# KiCad board panel.kicad_pcb (continued)
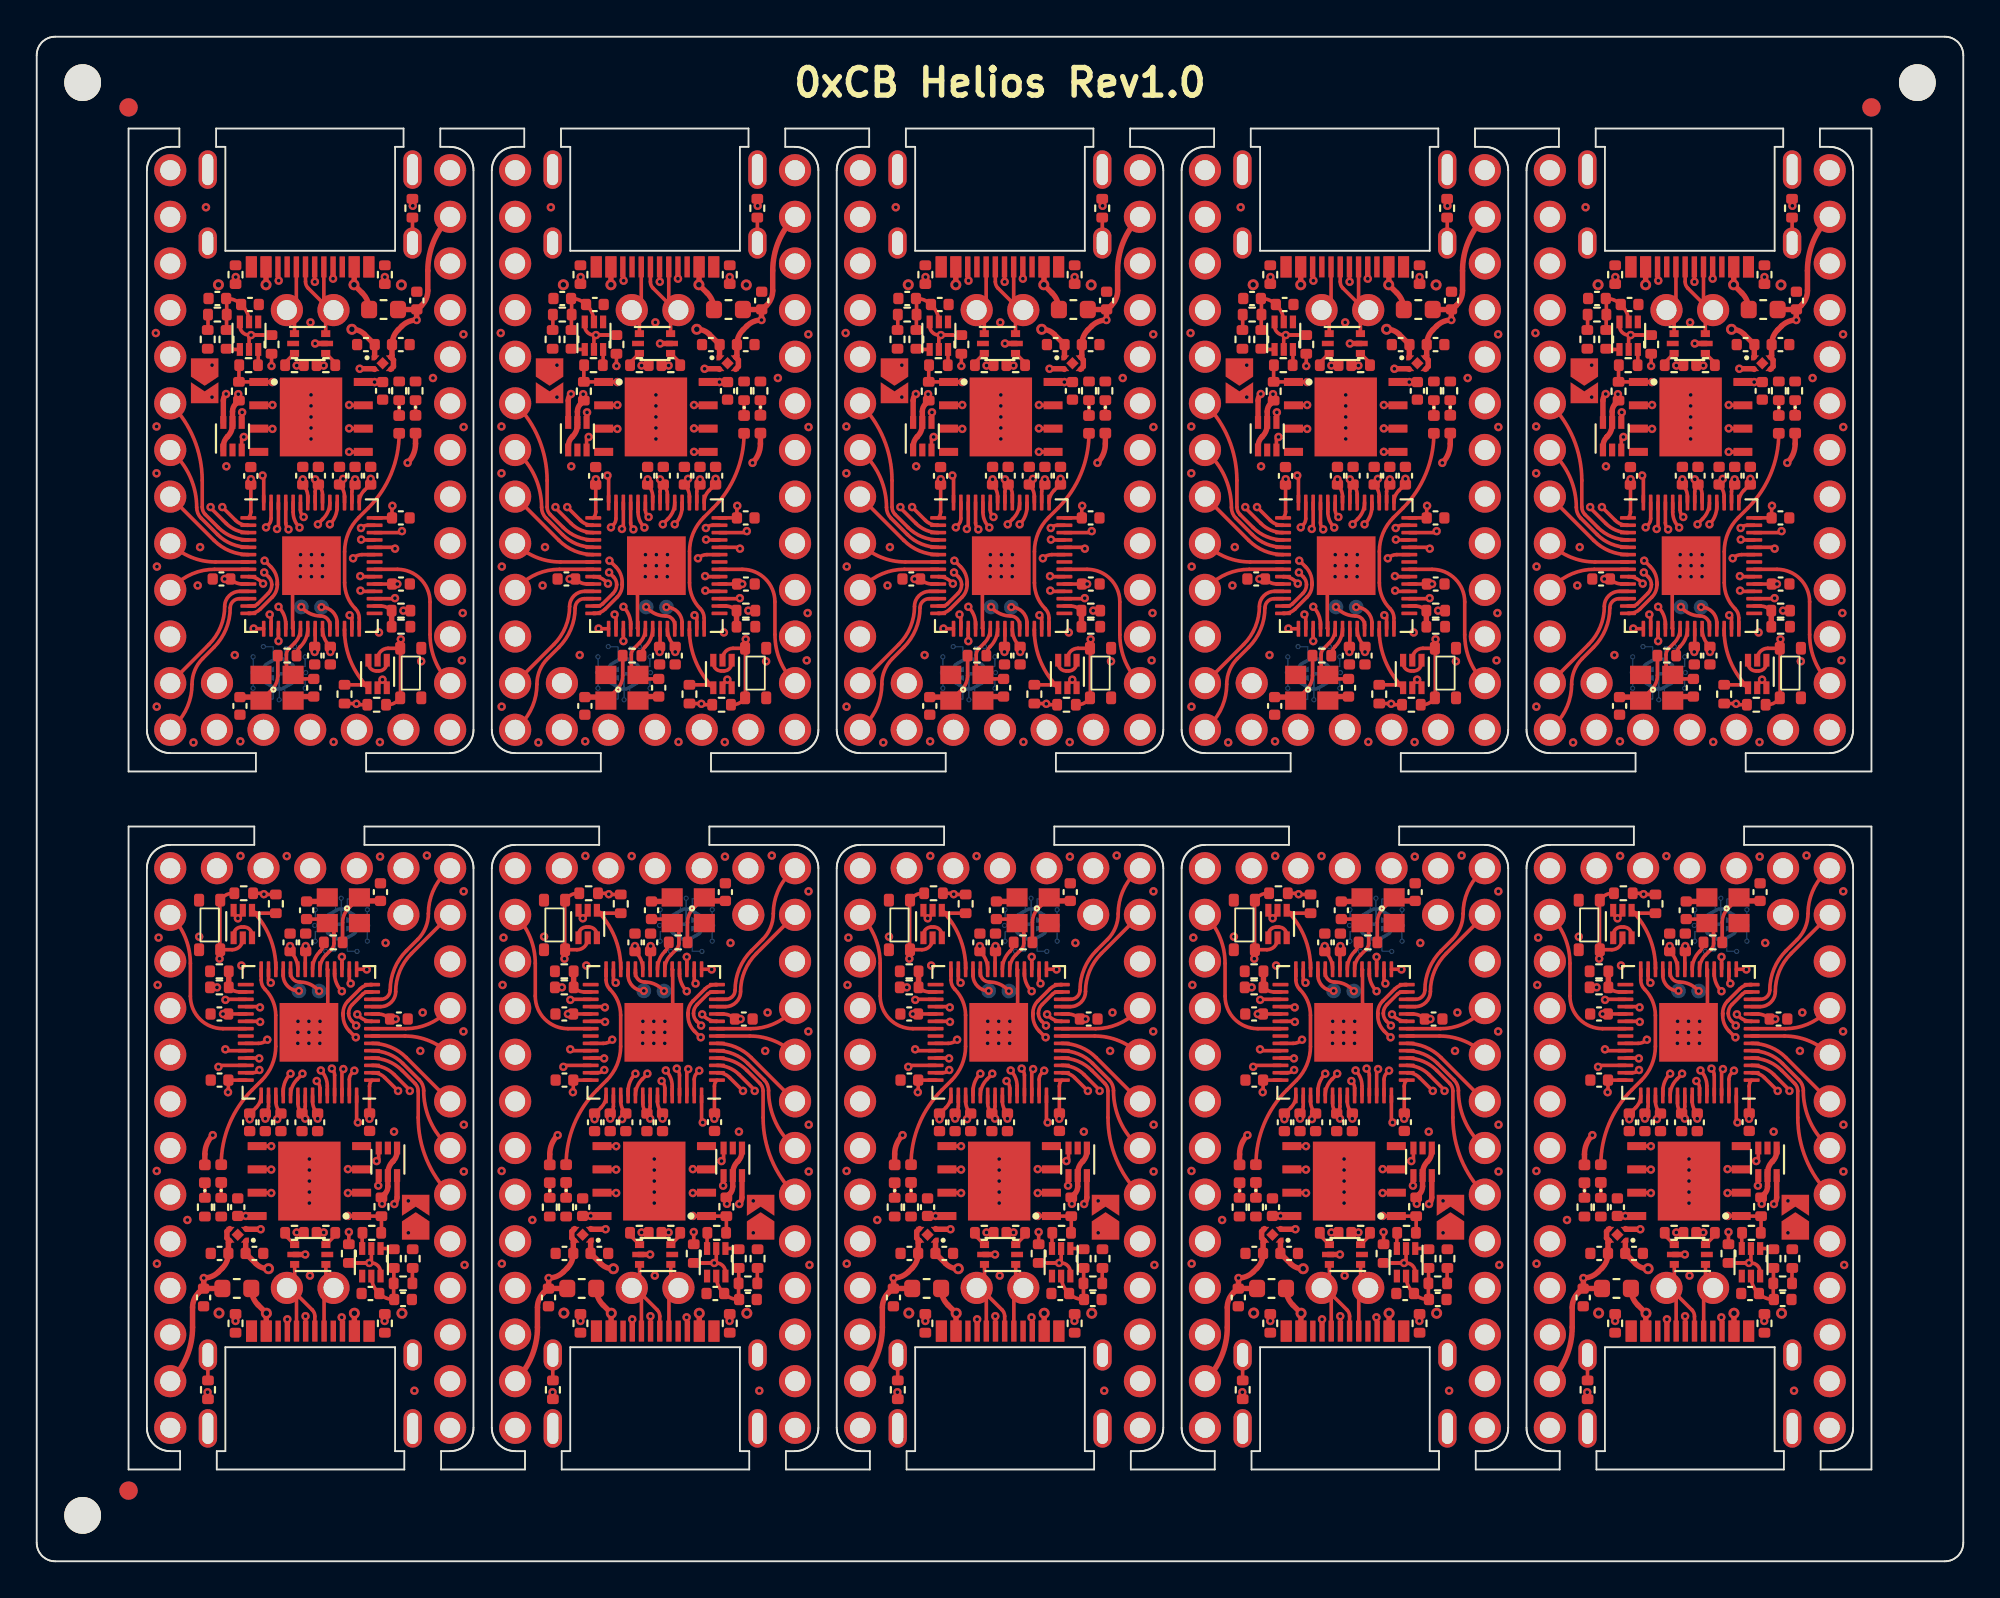
[diagram p0: board, top side]
## Routing (per net, layer and track width the routed paths; a pad name or vN(x,y) marks a point on that pad's centre or on a via; arc(x,y) is an arc through that point) (continued)
Board_8-/16: length 7.9
  Top w0.2: v1(69.08,31.51) 68.96,31.64 U4#4.27
  In1.Cu w0.2: J2#2.18 66.75,37.15 arc(68.48,34.56) v1(69.08,31.51)
Board_8-/20_SDI: length 4.9
  Top w0.2: v1(66.61,30.58) 66.64,30.61 U4#4.31
  In1.Cu w0.2: J2#2.21 65.05,31.23 arc(65.77,30.75) v1(66.61,30.58)
Board_8-/21_CS: length 10.1
  Top w0.2: v1(68.5,30.17) 68.45,30.21 U4#4.32
  In1.Cu w0.2: J2#2.19 66.51,34.85 arc(67.81,33.02) 68.44,30.88 68.44,30.22 v1(68.5,30.17)
Board_8-/22_SCK: length 5.9
  Top w0.2: U4#4.34 68.47,29.41 v1(68.5,29.38)
  In1.Cu w0.2: v1(68.5,29.38) 68.46,29.34 65.53,29.34 arc(64.49,29.54) J2#2.22
Board_8-/23_SDO: length 8.7
  Top w0.2: U4#4.35 66.48,29.01 arc(65.23,29.53) 64.7,30.79 64.7,32.57 arc(64.42,34) J2#2.20
Board_8-/A0: length 4.2
  Top w0.2: v1(66.61,27.89) 66.69,27.81 U4#4.38
  In1.Cu w0.2: v1(66.61,27.89) 64.32,27.89 arc(63.94,27.81) J2#2.23
Board_8-/A1: length 6.5
  Top w0.2: v1(68.45,27.39) 68.44,27.41 U4#4.39
  In1.Cu w0.2: J2#2.24 65.71,27.15 arc(66,27.34) 66.34,27.41 68.43,27.41 v1(68.45,27.39)
Board_8-/A2: length 6.8
  Top w0.2: U4#4.40 66.31,27.01 v1(66.23,26.93)
  In1.Cu w0.2: J2#2.25 64.97,23.87 arc(65.91,25.27) v1(66.23,26.93)
Board_8-/A3: length 9.4
  Top w0.2: v1(68.47,26.76) 68.46,26.76 arc(68.3,26.65) 68.11,26.61 U4#4.41
  In1.Cu w0.2: v1(68.47,26.76) 68.47,26.59 65.72,23.85 arc(65.1,22.91) 64.88,21.8 arc(64.77,21.28) 64.48,20.84 J2#2.26
Board_8-/BOOT: length 0.7
  Top w0.2: 74.06,17.76 Q2#8.3
Board_8-/D+: length 11.1
  Top w0.2: v1(71.97,17.91) 71.94,17.89 71.58,17.89 ; v1(70.81,26.56) 70.81,26.54 70.53,26.26 arc(70.26,25.85) U4#4.47
  In1.Cu w0.2: v1(70.81,26.56) 70.81,26.54 arc(70.57,26.18) 70.49,25.76 70.49,20.18 arc(70.61,19.54) 70.98,18.99 71.98,17.98 71.98,17.93 v1(71.97,17.91)
Board_8-/D-: length 11.2
  Top w0.2: U4#4.46 69.76,25.59 arc(69.86,26.12) v1(70.16,26.56) ; v1(70.5,17.91) 70.52,17.89 R13#4.2
  In1.Cu w0.2: v1(70.5,17.91) 70.33,18.08 arc(70.2,18.26) 70.16,18.48 arc(70.2,18.59) 70.31,18.64 70.5,18.64 arc(70.6,18.68) 70.65,18.79 arc(70.6,18.89) 70.5,18.94 70.31,18.94 arc(70.2,18.98) 70.16,19.09 v1(70.16,26.56)
Board_8-/LED: length 11.7
  Top w0.2: U4#4.28 68.56,31.66 arc(68.61,31.39) 68.77,31.16 arc(69.2,30.51) 69.36,29.74 69.36,28.04 arc(69.16,27.04) 68.59,26.19 68.07,25.68 arc(66.82,23.81) D2#10.2
Board_8-/PORT+: length 7.1
  Top w0.2: J1#6.B6 71.98,14.38 J2#2.34 72.08,15.31 U1#9.1 ; J1#6.A6 70.98,13.34 v1(70.97,13.35)
  In1.Cu w0.2: J2#2.34 72.33,14.89 70.97,13.53 v1(70.97,13.35)
Board_8-/PORT-: length 7.1
  Top w0.2: J2#2.33 70.14,14.89 71.34,13.7 arc(71.45,13.53) 71.48,13.34 J1#6.A7 ; J2#2.33 70.39,15.32 U1#9.6 ; J2#2.33 70.48,14.37 J1#6.B7
Board_8-/QSPI_CLK: length 11.3
  Top w0.2: U3#4.6 69.1,21.35 v1(69.11,21.34) ; U4#4.52 72.16,25.89 arc(72.07,26.35) v1(71.81,26.73)
  In2.Cu w0.2: v1(71.81,26.73) 71.81,26.64 arc(72.27,25.94) 72.44,25.13 72.44,23.85 arc(72.26,23.43) 71.84,23.26 69.14,23.26 arc(68.78,23.11) 68.64,22.76 68.64,22.48 arc(68.76,21.86) v1(69.11,21.34)
Board_8-/QSPI_CS: length 9.6
  Top w0.2: v1(73.83,23.9) 73.76,23.97 73.76,25.35 ; v1(73.28,18.81) 73.29,18.81 U3#4.1 74.03,18.8 R11#4.2 75.11,17.91 R9#8.1
  In2.Cu w0.2: v1(73.28,18.81) arc(73.86,19.67) 74.06,20.68 74.06,23.34 arc(74,23.64) v1(73.83,23.9)
Board_8-/QSPI_SD0: length 11.3
  Top w0.2: v1(69.11,22.61) 69.11,22.62 U3#4.5 ; v1(72.41,26.84) 72.41,26.83 arc(72.52,26.67) 72.56,26.48 U4#4.53
  In2.Cu w0.2: v1(72.41,26.84) 72.41,26.76 arc(72.65,26.4) 72.73,25.98 72.73,23.8 arc(72.49,23.21) 71.9,22.96 71.06,22.96 arc(70.96,22.92) 70.92,22.81 70.92,22.56 arc(70.87,22.45) 70.77,22.41 arc(70.66,22.45) 70.61,22.56 70.61,22.81 arc(70.57,22.92) 70.47,22.96 arc(70.36,22.92) 70.31,22.81 70.31,22.56 arc(70.27,22.45) 70.17,22.41 arc(70.06,22.45) 70.02,22.56 70.02,22.81 arc(69.97,22.92) 69.86,22.96 arc(69.49,22.89) 69.17,22.67 v1(69.11,22.61)
Board_8-/QSPI_SD1: length 11.4
  Top w0.2: U4#4.55 73.36,26.24 arc(73.4,26.43) 73.51,26.6 v1(73.64,26.72) ; v1(73.28,20.06) 73.3,20.08 U3#4.2
  In2.Cu w0.2: v1(73.64,26.72) 73.47,26.56 arc(73.37,26.41) 73.33,26.24 arc(73.38,26.13) 73.48,26.09 73.58,26.09 arc(73.69,26.05) 73.73,25.94 arc(73.69,25.83) 73.58,25.79 73.48,25.79 arc(73.38,25.75) 73.33,25.64 arc(73.38,25.53) 73.48,25.49 73.58,25.49 arc(73.69,25.45) 73.73,25.34 arc(73.69,25.23) 73.58,25.19 73.48,25.19 arc(73.38,25.15) 73.33,25.04 arc(73.38,24.93) 73.48,24.89 73.58,24.89 arc(73.69,24.85) 73.73,24.74 arc(73.69,24.63) 73.58,24.59 73.48,24.59 arc(73.38,24.55) 73.33,24.44 73.33,23.88 arc(73.37,23.69) 73.48,23.53 73.61,23.4 arc(73.72,23.23) 73.76,23.04 73.76,22.7 arc(73.72,22.6) 73.61,22.55 73.51,22.55 arc(73.4,22.51) 73.36,22.4 arc(73.4,22.3) 73.51,22.25 73.61,22.25 arc(73.72,22.21) 73.76,22.1 73.76,21.2 arc(73.64,20.59) v1(73.28,20.06)
Board_8-/QSPI_SD2: length 11.3
  Top w0.2: v1(73.03,26.81) 72.96,26.73 U4#4.54 ; v1(73.28,21.36) 73.3,21.35 U3#4.3
  In2.Cu w0.2: v1(73.28,21.36) 73.03,21.61 arc(72.99,21.72) 72.89,21.76 72.19,21.76 arc(72.08,21.8) 72.03,21.91 arc(72.08,22.02) 72.19,22.06 72.89,22.06 arc(72.99,22.1) 73.03,22.21 arc(72.99,22.32) 72.89,22.36 72.19,22.36 arc(72.08,22.4) 72.03,22.51 arc(72.08,22.62) 72.19,22.66 72.89,22.66 arc(72.99,22.7) 73.03,22.81 v1(73.03,26.81)
Board_8-/QSPI_SD3: length 11.4
  Top w0.2: U3#4.7 69.09,20.08 v1(69.11,20.06) ; U4#4.51 71.76,25.78 arc(71.72,25.97) 71.61,26.13 v1(71.58,26.16)
  In2.Cu w0.2: v1(69.11,20.06) arc(68.51,20.96) 68.3,22.03 68.3,22.76 arc(68.54,23.34) 69.12,23.58 71.8,23.58 arc(72.04,23.68) 72.13,23.91 72.13,24.84 arc(71.99,25.55) v1(71.58,26.16)
Board_8-/RESET: length 24.4
  Top w0.2: Q1#5.2 67.56,33.89 arc(67.39,33.48) 66.98,33.31 66.31,33.31 ; v1(66.3,32.82) 66.31,32.84 66.31,33.31 ; 66.31,33.31 66.31,35.8 arc(66.35,35.99) 66.46,36.16 arc(66.71,36.33) 67.01,36.39 R1#5.2
  In2.Cu w0.2: J2#2.28 arc(64.75,16.6) 65.15,18.61 65.15,30.06 arc(65.45,31.55) v1(66.3,32.82)
Board_8-/RGB_5V: length 17.5
  Top w0.2: v1(74.94,20.46) 74.96,20.48 U5#2.4
  In2.Cu w0.2: v1(74.94,20.46) arc(75.22,20.89) 75.32,21.39 75.32,24.88 arc(75.09,26.04) 74.43,27.02 73.16,28.29 arc(72.85,28.76) 72.74,29.31 arc(72.86,29.92) 73.21,30.44 75.12,32.34 arc(76,33.66) J2#2.32
Board_8-/RGB_DO: length 15.4
  Top w0.2: U5#2.3 74.96,21.92 v1(74.84,21.8) ; U4#4.37 68.41,28.21 arc(68.67,28.26) v1(68.89,28.41)
  In1.Cu w0.2: v1(74.84,21.8) 75.64,21.8 arc(76.29,22.07) 76.56,22.73 arc(76.42,23.46) 76,24.08 75.23,24.86 arc(74.79,25.51) 74.64,26.28 74.64,26.79 arc(74.45,27.25) 74,27.44 70.76,27.44 arc(69.94,27.6) 69.24,28.06 v1(68.89,28.41)
Board_8-/RST: length 4.9
  Top w0.2: R3#10.2 68.43,35.3 arc(68.24,35.34) 68.07,35.45 Q1#5.4 arc(69.02,34.02) 69.36,32.32 U4#4.26
Board_8-/SWD_CLK: length 2.2
  Top w0.2: v1(71.72,31.06) 71.62,31.15 arc(71.18,31.45) 70.66,31.55 arc(70.31,31.7) 70.16,32.05 U4#4.24
Board_8-/SWD_IO: length 1.7
  Top w0.2: U4#4.25 69.76,31.92 arc(70.01,31.32) v1(70.61,31.07)
Board_8-/USB+: length 0.9
  Top w0.2: U1#9.3 72.59,17.76 R12#10.1
Board_8-/USB-: length 0.9
  Top w0.2: R13#4.1 69.86,17.77 U1#9.4
Board_8-GND: length 7.7
  Top w0.2: Q1#5.3 68.06,34.12 arc(67.93,34.42) 67.63,34.54 67.49,34.54 arc(67.19,34.42) 67.06,34.12 Q1#5.1 ; v1(71.16,28.81) 72.19,29.84 72.19,32.22 U4#4.19
  Top w0.3: Y1#5.2 71.94,35.94 C7#8.1 ; v1(68.53,18.09) 67.75,18.09 U2#10.2
  vias: v1(62.92,31.39) v1(62.88,21.26) v1(62.89,16.21) v1(62.97,33.97) v1(64.55,18.59) v1(65.19,34.02) v1(65.64,9.21) v1(67.44,38.42) v1(67.48,32.45) v1(69.95,38.41) v1(70.56,29.41) v1(70.56,28.81) v1(70.56,28.21) v1(71.16,29.41) v1(71.16,28.21) v1(71.19,21.91) v1(71.19,21.31) v1(71.19,20.71) v1(71.19,20.11) v1(71.19,19.51) v1(71.22,15.56) v1(71.77,29.41) v1(71.76,28.81) v1(71.75,28.21) v1(75.03,38.38) v1(75.33,33.68) v1(76.91,9.29) v1(77.22,27.8) v1(77.36,29.89) v1(77.58,38.44) v1(79.58,36.49) v1(79.58,28.86) v1(79.59,23.78) v1(79.59,21.23) v1(79.64,16.14) v2(66.27,13.52) v2(76.22,13.51)
Board_8-Net-(C1-Pad1): length 3.7
  Top w0.2: 75.78,15.98 75.78,15.15 75.78,15.14 75.78,14.29 C1#10.1 75.77,14.26 arc(75.35,14.34) C2#3.1 74.93,14.65 arc(74.66,15.05) Q2#8.5
Board_8-Net-(C7-Pad2): length 4.1
  Top w0.2: C7#8.2 71.94,34.98 Y1#5.3 72.38,34.54 arc(72.49,34.38) 72.53,34.19 72.53,33.66 arc(72.49,33.48) 72.39,33.33 72.08,33.02 arc(71.84,32.67) U4#4.20
Board_8-Net-(C8-Pad2): length 4
  Top w0.2: R14#4.1 73,34.8 arc(73.08,35.21) 73.31,35.56 Y1#5.1
  Top w0.3: C8#10.2 74.1,35.97 Y1#5.1
Board_8-Net-(D1-Pad1): length 0.8
  Top w0.2: D1#4.1 R10#9.1
Board_8-Net-(D1-Pad2): length 24.6
  Top w0.2: v1(76.58,19.63) 76.81,19.63 JP1.2
  Top w0.3: D1#4.2 65.5,22.17 arc(65.61,22.73) v1(65.92,23.21)
  In1.Cu w0.2: v1(65.92,23.21) 65.95,23.21 68.79,26.05 arc(69.15,26.92) 68.79,27.79 68.55,28.03 arc(68.41,28.39) 68.55,28.74 68.57,28.76 arc(68.92,28.9) 69.28,28.76 69.99,28.05 arc(70.33,27.82) 70.74,27.74 74.02,27.74 arc(74.67,27.46) 74.94,26.81 74.94,26.42 arc(75.1,25.63) 75.55,24.96 76.3,24.21 arc(76.72,23.58) 76.86,22.84 76.86,20.33 arc(76.79,19.95) v1(76.58,19.63)
Board_8-Net-(D2-Pad1): length 0.8
  Top w0.2: D2#10.1 R15#2.1
Board_8-Net-(FB1-Pad1): length 1.4
  Top w0.2: J1#6.S1 65.66,9.86 FB1#10.1
Board_8-Net-(J1-PadA5): length 4
  Top w0.2: J1#6.A5 v1(69.98,13.18) ; R7#7.2 v1(67.17,13.09)
  In1.Cu w0.2: v1(69.98,13.18) 69.79,12.99 67.27,12.99 v1(67.17,13.09)
Board_8-Net-(J1-PadB5): length 3.7
  Top w0.2: J1#6.B5 72.98,13.25 v1(72.95,13.29) ; R8.2 75.3,13.1 v1(75.28,13.09)
  In1.Cu w0.2: v1(72.95,13.29) 73.25,12.99 75.18,12.99 v1(75.28,13.09)
Board_8-Net-(Q1-Pad5): length 28.5
  Top w0.2: Q2#8.2 74.56,16.36 v1(74.45,16.25) 73.81,16.25 ; R2#10.2 73.81,16.25 ; 73.81,16.25 74.56,16.25 arc(74.91,16.1) 75.06,15.75 Q2#8.6 ; Q1#5.5 67.56,35.29 v1(67.3,35.02) 67.06,35.26 Q1#5.6
  In2.Cu w0.2: v1(74.45,16.25) 74.57,16.37 arc(74.68,16.54) 74.72,16.73 74.72,18.81 arc(74.68,19) 74.57,19.16 74.54,19.2 arc(74.41,19.4) 74.36,19.63 74.36,22.2 arc(74.44,22.59) 74.66,22.92 arc(74.93,23.32) 75.02,23.79 75.02,24.77 arc(74.79,25.92) 74.14,26.89 72.89,28.14 arc(72.56,28.64) 72.44,29.22 72.44,31.62 arc(71.45,34.02) 69.04,35.02 67.3,35.02 v1(67.3,35.02)
Board_8-Net-(Q2-Pad1): length 0.7
  Top w0.2: R4#5.1 75.75,17.04 Q2#8.1
Board_8-Net-(R5-Pad2): length 0.8
  Top w0.2: 76.81,15.98 76.8,15.96 R5#10.2
Board_8-Net-(R14-Pad2): length 1.6
  Top w0.2: R14#4.2 arc(71.92,33.45) 71.78,33.23 71.76,33.21 arc(71.46,32.77) U4#4.21
Board_8-VBUS: length 28.7
  Top w0.2: v1(66.16,31.26) 65.78,31.26
  Top w0.3: J1#6.A4 68.83,13.5 v2(68.84,13.51) 68.4,13.96 arc(68.12,14.37) F1#5.1 ; v2(73.64,13.51) J1#6.A9
  In2.Cu w0.2: v1(66.16,31.26) arc(65.63,30.48) 65.45,29.56 65.45,21.7 arc(66.33,17.27) v2(68.84,13.51)
  In2.Cu w0.3: v2(68.84,13.51) arc(69.11,12.86) 69.76,12.59 72.72,12.59 arc(73.37,12.86) v2(73.64,13.51)
Board_9-+1V1: length 15.6
  Top w0.2: U4#2.45 88.14,25.05 arc(88.21,24.69) C10#6.2 ; U4#2.50 90.14,25.05 arc(90.21,24.69) C17#4.1 v1(90.42,24.11) ; v1(88.92,33.51) C19#7.1 88.95,33.2 arc(89.24,32.76) U4#2.23
  In2.Cu w0.2: v1(90.42,24.11) 89.34,25.19 ; 89.34,25.19 88.92,25.61 arc(88.55,26.16) 88.42,26.82 88.42,32.3 arc(88.54,32.96) v1(88.92,33.51) ; 89.34,25.19 89.31,25.19 v1(88.22,24.09)
Board_9-+3V3: length 20.9
  Top w0.2: U3.8 86.51,18.81 v1(86.5,18.81) C6#3.1 ; R3#5.1 87.5,36.32 v1(87.49,36.34) 87.44,36.39 R1#7.1 ; R11.1 93.89,19.51 v1(93.92,19.47) ; U4#2.22 89.74,33.21 C11#5.1 ; C14#9.1 89.59,24.42 arc(89.7,24.58) 89.74,24.77 U4#2.49 ; C14#9.1 89.56,24.29 v1(89.74,24.11) ; C14#9.1 arc(89.4,24.64) 89.34,24.93 U4#2.48 ; v1(85.53,25.55) 85.56,25.57 C13.1 86.53,26.21 ; 93.24,24.69 93.24,25.88 arc(93.28,26.06) U4#2.1 ; U4#2.10 93.7,29.81 arc(94.06,29.74) C15#3.1 v1(94.67,29.54) ; C16#5.1 93.25,24.11 v1(93.23,24.1) ; U4#2.44 87.74,24.77 arc(87.7,24.58) 87.59,24.42 C9.2 v1(87.56,24.11) ; v1(86.72,24.08) 86.72,24.36 87.07,24.71 arc(87.27,25.01) U4#2.43 ; 86.53,29.81 C12#10.1 v1(85.27,29.81) ; R2#6.1 v1(92.11,17.94)
  Top w0.3: 86.5,16.77 87.05,16.21 arc(87.37,16) 87.73,15.93 ; U5#7.1 94.74,22.32 arc(94.68,22.03) 94.52,21.79 94.51,21.78 arc(94.31,21.48) 94.24,21.13 U5#7.5 94.24,20.42 arc(94.19,20.19) 94.07,20 R11.1 ; U2#3.1 86.5,16.78
  vias: v1(89.77,33.51) v1(94.58,23.4) v1(95.36,17.89) v2(87.74,15.94)
Board_9-+5V: length 25.3
  Top w0.3: 84.22,14.86 v1(84.22,15.43) arc(84.65,15.52) 85.02,15.76 85.22,15.97 arc(85.47,16.34) C4#8.1 85.56,17.38 U2#3.4 85.48,17.6 85.48,17.97 U2#3.3 ; 84.22,14.86 C3.1 84.16,14.85 83.94,14.63 arc(83.69,14.26) 83.61,13.83 83.61,12.74 arc(83.29,11.16) J2#3.30 ; 84.22,14.86 F1.2 ; U1.5 v1(89.74,16.71) ; v1(94.59,19.46) 94.59,19.46 arc(94.7,19.63) 94.74,19.82 U5#7.6
  In1.Cu w0.3: v1(94.59,19.46) arc(93.81,17.57) 91.91,16.79 89.81,16.79 v1(89.74,16.71) 89.66,16.79 87.5,16.79 arc(85.72,16.44) v1(84.22,15.43)
Board_9-/0_TX0: length 18.4
  Top w0.2: v1(94.8,25.62) 94.07,26.34 arc(93.78,26.54) 93.43,26.61 U4#2.2
  In1.Cu w0.2: J2#3.2 97.63,10.38 arc(97.59,10.57) 97.48,10.73 97.45,10.77 arc(96.56,12.1) 96.25,13.68 96.25,22.91 arc(96.06,23.82) 95.55,24.59 94.99,25.15 arc(94.85,25.37) v1(94.8,25.62)
Board_9-/1_RX0: length 16.4
  Top w0.2: v1(95.44,25.62) 95.44,25.66 94.59,26.51 arc(94.03,26.88) U4#2.3
  In1.Cu w0.2: v1(95.44,25.62) 95.44,25.6 arc(95.52,25.16) 95.77,24.8 arc(96.34,23.93) 96.55,22.92 96.55,14.97 arc(96.83,13.55) J2#3.3
Board_9-/2_SDA1: length 9.4
  Top w0.2: J2#3.6 arc(96.34,21.9) 95.89,24.17 95.89,25.61 arc(95.85,25.84) 95.72,26.03 95.01,26.73 arc(94.26,27.23) U4#2.4
Board_9-/3_SCL1: length 7.3
  Top w0.2: J2#3.7 97.38,22.76 arc(96.5,24.08) 96.19,25.64 arc(96.13,25.95) 95.95,26.22 95.05,27.12 arc(94.28,27.63) U4#2.5
Board_9-/4: length 5.4
  Top w0.2: J2#3.8 95.24,27.44 arc(94.39,28.01) U4#2.6
Board_9-/5: length 4.5
  Top w0.2: U4#2.7 95.17,28.61 arc(96.5,28.34) J2#3.9
Board_9-/6: length 4.6
  Top w0.2: J2#3.10 97.42,29.92 arc(96.41,29.25) 95.22,29.01 U4#2.8
Board_9-/7: length 6.9
  Top w0.2: v1(92.58,29.79) 92.68,29.69 arc(92.98,29.48) 93.34,29.41 U4#2.9
  In2.Cu w0.2: v1(92.58,29.79) 93.92,31.13 arc(95.62,32.27) J2#3.11
Board_9-/8: length 7
  Top w0.2: U4#2.11 93.84,30.21 arc(94.42,30.45) 94.67,31.03 arc(94.89,32.15) 95.52,33.1 J2#3.12
Board_9-/9: length 8.9
  Top w0.2: J2#3.13 97.36,37.48 arc(96.68,36.47) 96.44,35.27 arc(96.29,34.51) 95.86,33.87 95.26,33.26 arc(94.6,32.27) 94.36,31.11 arc(94.22,30.76) 93.86,30.61 U4#2.12
Board_9-/10: length 26.5
  Top w0.2: v1(92.52,29.18) 92.28,29.42 arc(92.15,29.61) 92.1,29.84 arc(92.15,30.1) 92.3,30.32 92.87,30.89 arc(93,30.98) 93.15,31.01 U4#2.13
  In2.Cu w0.2: v1(92.52,29.18) 92.55,29.18 95.83,25.9 arc(96.24,25.28) 96.39,24.56 96.39,10.28 arc(96.71,8.65) J2#3.1
Board_9-/11: length 38
  Top w0.2: U4#2.14 93.29,31.41 arc(92.99,31.35) 92.73,31.18 92.08,30.53 arc(91.87,30.22) 91.8,29.86 91.8,29.73 arc(91.89,29.26) 92.16,28.87 92.48,28.54 v1(92.5,28.54)
  In1.Cu w0.2: v1(92.5,28.54) 92.5,28.35 arc(92.59,28.13) 92.81,28.04 arc(93.67,27.68) 94.02,26.82 94.02,26.59 arc(94.19,25.76) 94.66,25.06 95.32,24.4 arc(95.78,23.7) 95.94,22.88 95.94,14.39 arc(95.39,13.06) 94.06,12.51 84.78,12.51 arc(83.95,12.17) 83.61,11.33 83.61,10.2 arc(83.29,8.62) J2#3.31
Board_9-/12: length 6.6
  Top w0.2: v1(93.09,32.23) 93.08,32.25 U4#2.15
  In1.Cu w0.2: v1(93.09,32.23) 93.09,32.92 arc(93.61,35.53) J2#3.14
Board_9-/13: length 7.2
  Top w0.2: v1(92.22,31.47) 92.14,31.55 U4#2.16
  In1.Cu w0.2: J2#3.15 92.55,32.28 arc(92.46,31.84) v1(92.22,31.47)
Board_9-/14: length 6
  Top w0.2: U4#2.17 91.74,32.92 v1(91.73,32.92)
  In1.Cu w0.2: v1(91.73,32.92) 91.73,33.59 arc(91.29,35.84) J2#3.16
Board_9-/15: length 9.5
  Top w0.2: U4#2.18 91.34,32 arc(91.44,31.49) v1(91.73,31.05)
  In1.Cu w0.2: J2#3.17 90.01,35.21 arc(90.84,33.96) 91.14,32.5 arc(91.29,31.71) v1(91.73,31.05)
Board_9-/16: length 7.9
  Top w0.2: U4#2.27 87.74,31.64 v1(87.86,31.51)
  In1.Cu w0.2: J2#3.18 85.53,37.15 arc(87.26,34.56) v1(87.86,31.51)
Board_9-/20_SDI: length 4.9
  Top w0.2: U4#2.31 85.42,30.61 v1(85.39,30.58)
  In1.Cu w0.2: J2#3.21 83.83,31.23 arc(84.55,30.75) v1(85.39,30.58)
Board_9-/21_CS: length 10.1
  Top w0.2: v1(87.28,30.17) 87.23,30.21 U4#2.32
  In1.Cu w0.2: v1(87.28,30.17) 87.22,30.22 87.22,30.88 arc(86.59,33.02) 85.29,34.85 J2#3.19
Board_9-/22_SCK: length 5.9
  Top w0.2: U4#2.34 87.25,29.41 v1(87.28,29.38)
  In1.Cu w0.2: v1(87.28,29.38) 87.24,29.34 84.31,29.34 arc(83.27,29.54) J2#3.22
Board_9-/23_SDO: length 8.7
  Top w0.2: U4#2.35 85.26,29.01 arc(84.01,29.53) 83.48,30.79 83.48,32.57 arc(83.2,34) J2#3.20
Board_9-/A0: length 4.2
  Top w0.2: U4#2.38 85.47,27.81 v1(85.39,27.89)
  In1.Cu w0.2: v1(85.39,27.89) 83.1,27.89 arc(82.72,27.81) J2#3.23
Board_9-/A1: length 6.5
  Top w0.2: v1(87.23,27.39) 87.22,27.41 U4#2.39
  In1.Cu w0.2: J2#3.24 84.49,27.15 arc(84.78,27.34) 85.12,27.41 87.21,27.41 v1(87.23,27.39)
Board_9-/A2: length 6.8
  Top w0.2: U4#2.40 85.09,27.01 v1(85.02,26.93)
  In1.Cu w0.2: J2#3.25 83.75,23.87 arc(84.69,25.27) v1(85.02,26.93)
Board_9-/A3: length 9.4
  Top w0.2: v1(87.25,26.76) 87.24,26.76 arc(87.08,26.65) 86.89,26.61 U4#2.41
  In1.Cu w0.2: J2#3.26 83.26,20.84 arc(83.55,21.28) 83.66,21.8 arc(83.88,22.91) 84.5,23.85 87.25,26.59 v1(87.25,26.76)
Board_9-/BOOT: length 0.7
  Top w0.2: 92.84,17.76 Q2#9.3
Board_9-/D+: length 11.1
  Top w0.2: v1(90.75,17.91) 90.72,17.89 90.36,17.89 ; v1(89.59,26.56) 89.59,26.54 89.31,26.26 arc(89.04,25.85) U4#2.47
  In1.Cu w0.2: v1(90.75,17.91) 90.77,17.93 90.77,17.98 89.76,18.99 arc(89.39,19.54) 89.27,20.18 89.27,25.76 arc(89.35,26.18) 89.59,26.54 v1(89.59,26.56)
Board_9-/D-: length 11.2
  Top w0.2: v1(89.28,17.91) 89.3,17.89 R13#2.2 ; U4#2.46 88.54,25.59 arc(88.64,26.12) v1(88.94,26.56)
  In1.Cu w0.2: v1(88.94,26.56) 88.94,19.09 arc(88.98,18.98) 89.09,18.94 89.28,18.94 arc(89.38,18.89) 89.43,18.79 arc(89.38,18.68) 89.28,18.64 89.09,18.64 arc(88.98,18.59) 88.94,18.48 arc(88.98,18.26) 89.11,18.08 v1(89.28,17.91)
Board_9-/LED: length 11.7
  Top w0.2: U4#2.28 87.34,31.66 arc(87.39,31.39) 87.55,31.16 arc(87.98,30.51) 88.14,29.74 88.14,28.04 arc(87.94,27.04) 87.37,26.19 86.85,25.68 arc(85.6,23.81) D2.2
Board_9-/PORT+: length 7.1
  Top w0.2: J1#2.A6 89.77,13.34 v1(89.75,13.35) ; U1.1 90.86,15.31 J2#3.34 90.77,14.38 J1#2.B6
  In1.Cu w0.2: J2#3.34 91.11,14.89 89.75,13.53 v1(89.75,13.35)
Board_9-/PORT-: length 7.1
  Top w0.2: J1#2.B7 89.27,14.37 J2#3.33 ; J2#3.33 88.92,14.89 90.12,13.7 arc(90.23,13.53) 90.27,13.34 J1#2.A7 ; J2#3.33 89.17,15.32 U1.6
Board_9-/QSPI_CLK: length 11.3
  Top w0.2: U4#2.52 90.94,25.89 arc(90.85,26.35) v1(90.59,26.73) ; v1(87.89,21.34) 87.88,21.35 U3.6
  In2.Cu w0.2: v1(90.59,26.73) 90.59,26.64 arc(91.05,25.94) 91.22,25.13 91.22,23.85 arc(91.04,23.43) 90.62,23.26 87.92,23.26 arc(87.56,23.11) 87.42,22.76 87.42,22.48 arc(87.54,21.86) v1(87.89,21.34)
Board_9-/QSPI_CS: length 9.6
  Top w0.2: R9#3.1 93.89,17.91 R11.2 92.81,18.8 U3.1 92.07,18.81 v1(92.06,18.81) ; 92.54,25.35 92.54,23.97 v1(92.61,23.9)
  In2.Cu w0.2: v1(92.61,23.9) arc(92.78,23.64) 92.84,23.34 92.84,20.68 arc(92.64,19.67) v1(92.06,18.81)
Board_9-/QSPI_SD0: length 11.3
  Top w0.2: v1(87.89,22.61) 87.89,22.62 U3.5 ; U4#2.53 91.34,26.48 arc(91.3,26.67) 91.19,26.83 v1(91.19,26.84)
  In2.Cu w0.2: v1(91.19,26.84) 91.19,26.76 arc(91.43,26.4) 91.52,25.98 91.52,23.8 arc(91.27,23.21) 90.68,22.96 89.84,22.96 arc(89.74,22.92) 89.69,22.81 89.69,22.56 arc(89.65,22.45) 89.55,22.41 arc(89.44,22.45) 89.39,22.56 89.39,22.81 arc(89.35,22.92) 89.25,22.96 arc(89.14,22.92) 89.09,22.81 89.09,22.56 arc(89.05,22.45) 88.94,22.41 arc(88.84,22.45) 88.8,22.56 88.8,22.81 arc(88.75,22.92) 88.64,22.96 arc(88.27,22.89) 87.95,22.67 v1(87.89,22.61)
Board_9-/QSPI_SD1: length 11.4
  Top w0.2: U3.2 92.08,20.08 v1(92.06,20.06) ; v1(92.42,26.72) 92.29,26.6 arc(92.18,26.43) 92.14,26.24 U4#2.55
  In2.Cu w0.2: v1(92.42,26.72) 92.25,26.56 arc(92.15,26.41) 92.11,26.24 arc(92.16,26.13) 92.27,26.09 92.36,26.09 arc(92.47,26.05) 92.52,25.94 arc(92.47,25.83) 92.36,25.79 92.27,25.79 arc(92.16,25.75) 92.11,25.64 arc(92.16,25.53) 92.27,25.49 92.36,25.49 arc(92.47,25.45) 92.52,25.34 arc(92.47,25.23) 92.36,25.19 92.27,25.19 arc(92.16,25.15) 92.11,25.04 arc(92.16,24.93) 92.27,24.89 92.36,24.89 arc(92.47,24.85) 92.52,24.74 arc(92.47,24.63) 92.36,24.59 92.27,24.59 arc(92.16,24.55) 92.11,24.44 92.11,23.88 arc(92.15,23.69) 92.26,23.53 92.39,23.4 arc(92.5,23.23) 92.54,23.04 92.54,22.7 arc(92.5,22.6) 92.39,22.55 92.29,22.55 arc(92.18,22.51) 92.14,22.4 arc(92.18,22.3) 92.29,22.25 92.39,22.25 arc(92.5,22.21) 92.54,22.1 92.54,21.2 arc(92.42,20.59) v1(92.06,20.06)
Board_9-/QSPI_SD2: length 11.3
  Top w0.2: v1(91.81,26.81) 91.74,26.73 U4#2.54 ; U3.3 92.08,21.35 v1(92.06,21.36)
  In2.Cu w0.2: v1(92.06,21.36) 91.81,21.61 arc(91.77,21.72) 91.67,21.76 90.97,21.76 arc(90.86,21.8) 90.81,21.91 arc(90.86,22.02) 90.97,22.06 91.67,22.06 arc(91.77,22.1) 91.81,22.21 arc(91.77,22.32) 91.67,22.36 90.97,22.36 arc(90.86,22.4) 90.81,22.51 arc(90.86,22.62) 90.97,22.66 91.67,22.66 arc(91.77,22.7) 91.81,22.81 v1(91.81,26.81)
Board_9-/QSPI_SD3: length 11.4
  Top w0.2: U3.7 87.88,20.08 v1(87.89,20.06) ; U4#2.51 90.54,25.78 arc(90.5,25.97) 90.39,26.13 v1(90.36,26.16)
  In2.Cu w0.2: v1(90.36,26.16) arc(90.77,25.55) 90.91,24.84 90.91,23.91 arc(90.82,23.68) 90.58,23.58 87.9,23.58 arc(87.32,23.34) 87.08,22.76 87.08,22.03 arc(87.29,20.96) v1(87.89,20.06)
Board_9-/RESET: length 24.4
  Top w0.2: Q1#2.2 86.34,33.89 arc(86.17,33.48) 85.76,33.31 85.09,33.31 ; v1(85.08,32.82) 85.09,32.84 85.09,33.31 ; 85.09,33.31 85.09,35.8 arc(85.13,35.99) 85.24,36.16 arc(85.49,36.33) 85.79,36.39 R1#7.2
  In2.Cu w0.2: v1(85.08,32.82) arc(84.23,31.55) 83.93,30.06 83.93,18.61 arc(83.53,16.6) J2#3.28
Board_9-/RGB_5V: length 17.5
  Top w0.2: v1(93.72,20.46) 93.74,20.48 U5#7.4
  In2.Cu w0.2: 95.08,35.21 arc(94.78,33.66) 93.9,32.34 91.99,30.44 arc(91.64,29.92) 91.52,29.31 arc(91.63,28.76) 91.94,28.29 93.21,27.02 arc(93.87,26.04) 94.1,24.88 94.1,21.39 arc(94,20.89) v1(93.72,20.46)
Board_9-/RGB_DO: length 15.4
  Top w0.2: U4#2.37 87.19,28.21 arc(87.45,28.26) v1(87.67,28.41) ; v1(93.62,21.8) 93.74,21.92 U5#7.3
  In1.Cu w0.2: v1(93.62,21.8) 94.42,21.8 arc(95.07,22.07) 95.34,22.73 arc(95.2,23.46) 94.78,24.08 94.01,24.86 arc(93.57,25.51) 93.42,26.28 93.42,26.79 arc(93.23,27.25) 92.78,27.44 89.54,27.44 arc(88.72,27.6) 88.02,28.06 v1(87.67,28.41)
Board_9-/RST: length 4.9
  Top w0.2: U4#2.26 88.14,32.32 arc(87.8,34.02) Q1#2.4 86.85,35.45 arc(87.02,35.34) 87.21,35.3 R3#5.2
Board_9-/SWD_CLK: length 2.2
  Top w0.2: v1(90.5,31.06) 90.4,31.15 arc(89.96,31.45) 89.44,31.55 arc(89.09,31.7) 88.94,32.05 U4#2.24
Board_9-/SWD_IO: length 1.7
  Top w0.2: U4#2.25 88.54,31.92 arc(88.79,31.32) v1(89.39,31.07)
Board_9-/USB+: length 0.9
  Top w0.2: U1.3 91.38,17.76 R12#7.1
Board_9-/USB-: length 0.9
  Top w0.2: U1.4 88.64,17.77 R13#2.1
Board_9-GND: length 7.7
  Top w0.2: U4#2.19 90.97,32.22 90.97,29.84 v1(89.94,28.81) ; Q1#2.3 86.84,34.12 arc(86.71,34.42) 86.41,34.54 86.27,34.54 arc(85.97,34.42) 85.84,34.12 Q1#2.1
  Top w0.3: Y1#8.2 90.72,35.94 C7#3.1 ; v1(87.31,18.09) 86.53,18.09 U2#3.2
  vias: v1(81.7,31.39) v1(81.66,21.26) v1(81.67,16.21) v1(81.75,33.97) v1(83.33,18.59) v1(83.97,34.02) v1(84.42,9.21) v1(86.22,38.42) v1(86.27,32.45) v1(88.73,38.41) v1(89.34,29.41) v1(89.34,28.81) v1(89.33,28.21) v1(89.94,29.41) v1(89.94,28.21) v1(89.97,21.91) v1(89.97,21.31) v1(89.97,20.71) v1(89.97,20.11) v1(89.97,19.51) v1(90,15.56) v1(90.55,29.41) v1(90.54,28.81) v1(90.53,28.21) v1(93.81,38.38) v1(94.11,33.68) v1(95.69,9.29) v1(96,27.8) v1(96.14,29.89) v1(96.36,38.44) v1(98.36,36.49) v1(98.36,28.86) v1(98.38,23.78) v1(98.38,21.23) v1(98.42,16.14) v2(85.05,13.52) v2(95,13.51)
Board_9-Net-(C1-Pad1): length 3.7
  Top w0.2: 94.56,15.98 94.56,15.15 94.56,15.14 94.56,14.29 C1#8.1 94.55,14.26 arc(94.13,14.34) C2#9.1 93.71,14.65 arc(93.44,15.05) Q2#9.5
Board_9-Net-(C7-Pad2): length 4.1
  Top w0.2: C7#3.2 90.72,34.98 Y1#8.3 91.16,34.54 arc(91.27,34.38) 91.31,34.19 91.31,33.66 arc(91.27,33.48) 91.17,33.33 90.86,33.02 arc(90.62,32.67) U4#2.20
Board_9-Net-(C8-Pad2): length 4
  Top w0.2: R14#9.1 91.78,34.8 arc(91.86,35.21) 92.09,35.56 Y1#8.1
  Top w0.3: C8#5.2 92.88,35.97 Y1#8.1
Board_9-Net-(D1-Pad1): length 0.8
  Top w0.2: D1.1 R10#5.1
Board_9-Net-(D1-Pad2): length 24.6
  Top w0.2: v1(95.36,19.63) 95.59,19.63 JP1#2.2
  Top w0.3: D1.2 84.28,22.17 arc(84.39,22.73) v1(84.7,23.21)
  In1.Cu w0.2: v1(84.7,23.21) 84.73,23.21 87.57,26.05 arc(87.93,26.92) 87.57,27.79 87.33,28.03 arc(87.19,28.39) 87.33,28.74 87.35,28.76 arc(87.7,28.9) 88.06,28.76 88.77,28.05 arc(89.11,27.82) 89.52,27.74 92.8,27.74 arc(93.45,27.46) 93.72,26.81 93.72,26.42 arc(93.88,25.63) 94.33,24.96 95.08,24.21 arc(95.5,23.58) 95.64,22.84 95.64,20.33 arc(95.57,19.95) v1(95.36,19.63)
Board_9-Net-(D2-Pad1): length 0.8
  Top w0.2: D2.1 R15#3.1
Board_9-Net-(FB1-Pad1): length 1.4
  Top w0.2: FB1#2.1 84.44,9.86 J1#2.S1
Board_9-Net-(J1-PadA5): length 4
  Top w0.2: R7#10.2 v1(85.94,13.09) ; J1#2.A5 v1(88.77,13.18)
  In1.Cu w0.2: v1(88.77,13.18) 88.57,12.99 86.05,12.99 v1(85.94,13.09)